# Altium PCB UCL-CPUM-H7-1.PcbDoc (part 1 of 3) (continued)
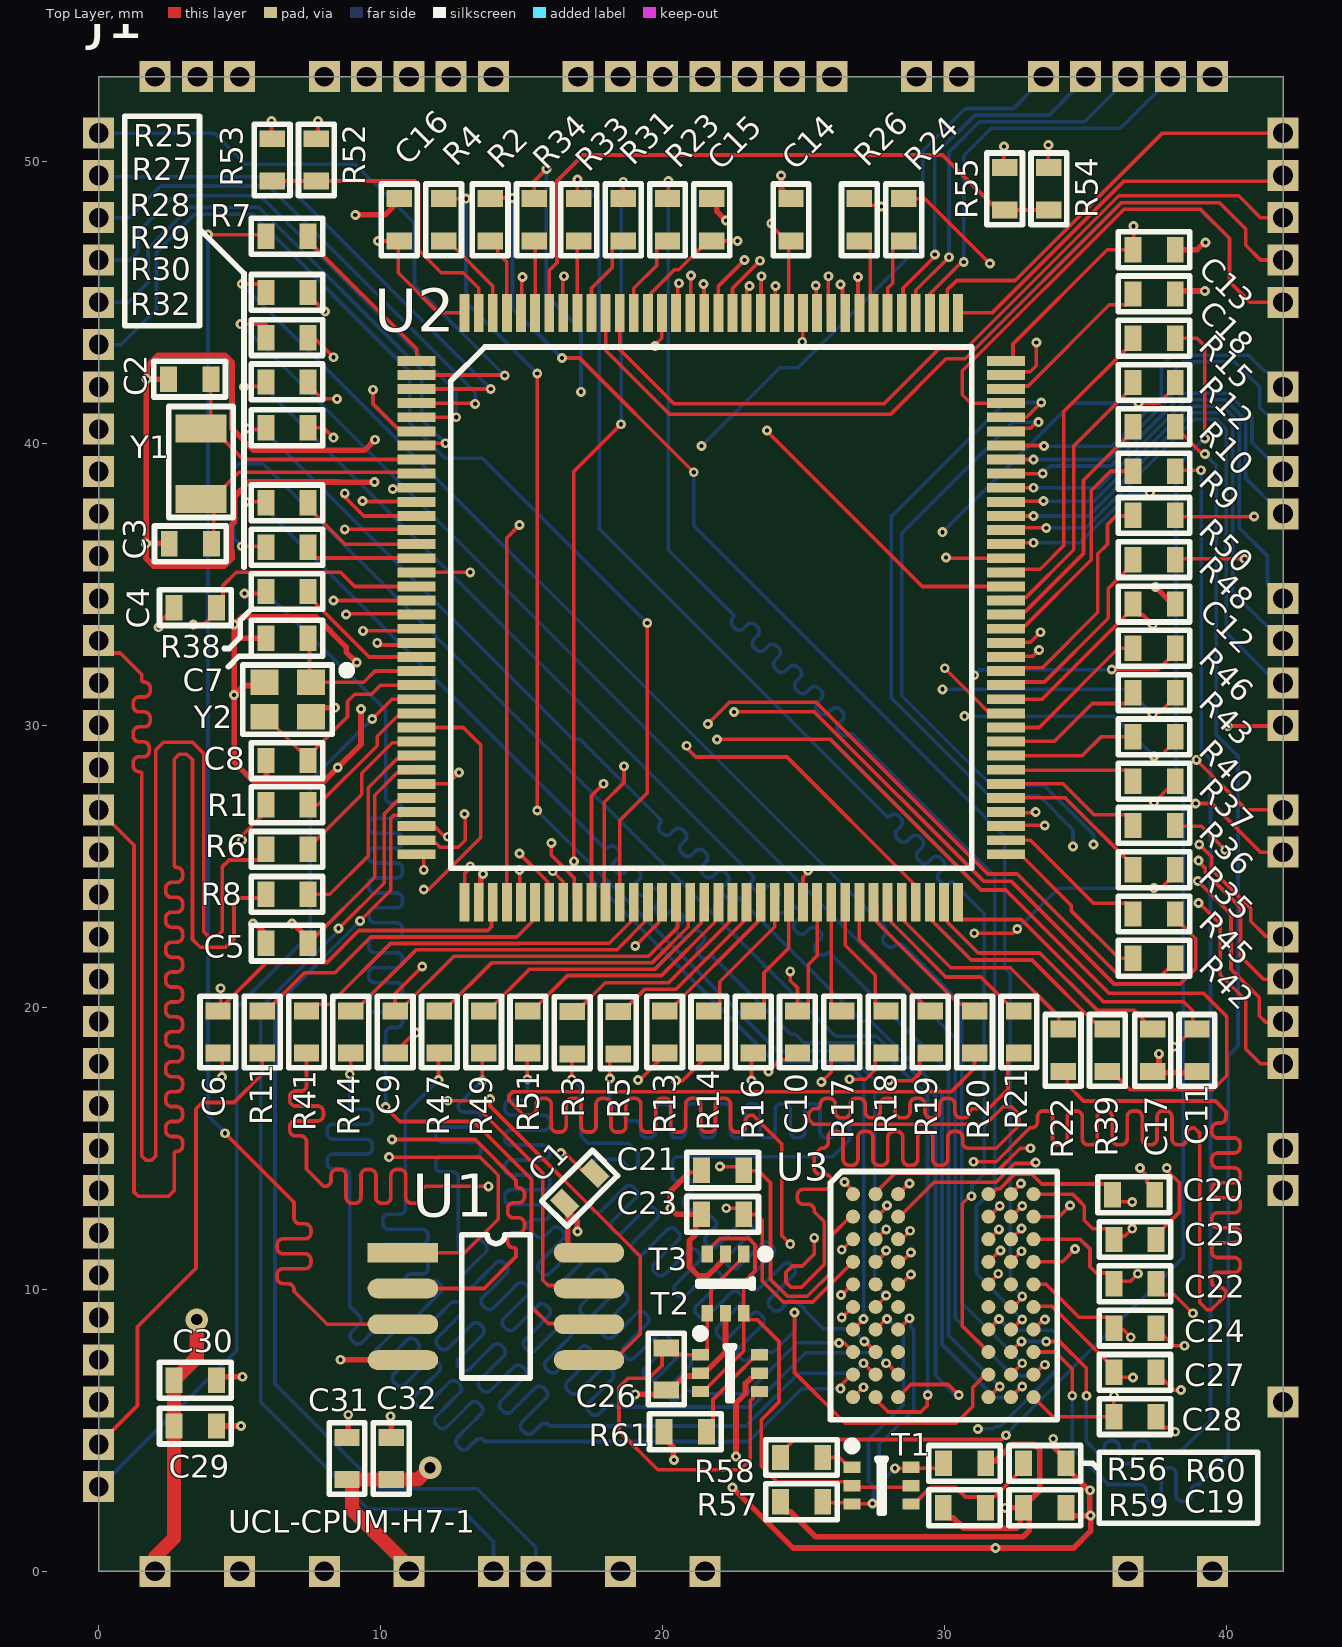
[diagram p0: Top Layer view]
## Nets (pads, with @x,y where several pads share a name; then routed paths per layer and width w, separated by ;. In a path a pad name is that pad's centre, name@x,y a point inside that pad or via, vN(x,y) a via of type N, cw(c..) or ccw(c..) an arc to the next point about the centre after c; other vN are vias at no path point) (continued)
ETH_MII_TX_EN: J1.72 R39.1 | length 51.3
  Top Layer w0.13: v1(21.925,29.5) 25.95,29.5 31.287,24.162 32.163,24.162 35.825,20.5 39.175,20.5 40,19.675 40,17.575 39.5,17.075 36.57,17.075 35.92,17.725 R39.1@35.77,17.725 R39.1@35.65,17.725
  L4_Sig w0.13: J1.72@0.315,28.5 1.45,28.5 2.65,29.7 4.1,29.7 21.725,29.7 v1(21.925,29.5)
ETH_MII_TX_ER/I\N\T\: J1.56 R11.1 | length 16.8
  Top Layer w0.13: J1.56@0.315,4.5 0.315,4.815 1.375,5.875 1.375,8.675 3.45,10.75 3.45,16.4 3.675,16.625 4.8,16.625 5.799,17.624 R11.1@5.799,18.375
ETH_MII_TXD0: J1.73 R42.1 | length 48.9
  Top Layer w0.13: v1(21.6,30.05) 22.365,30.815 25.435,30.815 31.525,24.725 32.575,24.725 36.177,21.123 37.673,21.123 37.903,21.353 37.94,21.353 38.175,21.588 38.175,21.625 R42.1@38.175,21.738
  L4_Sig w0.13: J1.73@0.315,30 0.365,30.05 4.35,30.05 5.525,31.225 10.275,31.225 10.85,30.65 10.927,30.65 ccw(c10.927,30.838) 11.115,30.838 cw(c11.327,30.838) 11.327,31.05 11.433,31.05 cw(c11.433,30.838) 11.645,30.838 11.645,30.65 11.645,30.462 ccw(c11.857,30.462) 11.857,30.25 11.963,30.25 ccw(c11.963,30.462) 12.175,30.462 12.175,30.65 12.175,30.838 cw(c12.387,30.838) 12.387,31.05 12.493,31.05 cw(c12.493,30.838) 12.705,30.838 12.705,30.65 12.705,30.462 ccw(c12.917,30.462) 12.917,30.25 13.023,30.25 ccw(c13.023,30.462) 13.235,30.462 13.235,30.65 13.235,30.838 cw(c13.447,30.838) 13.447,31.05 13.553,31.05 cw(c13.553,30.838) 13.765,30.838 13.765,30.65 13.765,30.462 ccw(c13.977,30.462) 13.977,30.25 14.083,30.25 ccw(c14.083,30.462) 14.295,30.462 14.295,30.65 14.295,30.838 cw(c14.507,30.838) 14.507,31.05 14.613,31.05 cw(c14.613,30.838) 14.825,30.838 14.825,30.65 14.825,30.462 ccw(c15.037,30.462) 15.037,30.25 15.143,30.25 ccw(c15.143,30.462) 15.355,30.462 15.355,30.65 15.355,30.838 cw(c15.567,30.838) 15.567,31.05 15.673,31.05 cw(c15.673,30.838) 15.885,30.838 ccw(c16.073,30.838) 16.073,30.65 16.4,30.65 17.579,30.65 18.179,30.05 v1(21.6,30.05)
ETH_MII_TXD1: J1.74 R45.1 | length 49.8
  Top Layer w0.13: v1(22.525,30.475) 25.375,30.475 31.375,24.475 32.35,24.475 36,20.825 38.35,20.825 38.9,21.375 38.9,22.433 38.325,23.008 38.325,23.225 38.242,23.308 R45.1@38.175,23.308
  L4_Sig w0.13: J1.74@0,31.5 5.225,31.5 5.6,31.875 11.775,31.875 11.802,31.875 cw(c11.802,31.787) 11.89,31.787 ccw(c12.102,31.787) 12.102,31.575 12.208,31.575 ccw(c12.208,31.787) 12.42,31.787 12.42,31.875 12.42,31.963 cw(c12.632,31.963) 12.632,32.175 12.738,32.175 cw(c12.738,31.963) 12.95,31.963 12.95,31.875 12.95,31.787 ccw(c13.162,31.787) 13.162,31.575 13.268,31.575 ccw(c13.268,31.787) 13.48,31.787 13.48,31.875 13.48,31.963 cw(c13.692,31.963) 13.692,32.175 13.798,32.175 cw(c13.798,31.963) 14.01,31.963 14.01,31.875 14.01,31.787 ccw(c14.222,31.787) 14.222,31.575 14.328,31.575 ccw(c14.328,31.787) 14.54,31.787 14.54,31.875 14.54,31.963 cw(c14.752,31.963) 14.752,32.175 14.858,32.175 cw(c14.858,31.963) 15.07,31.963 15.07,31.875 15.07,31.787 ccw(c15.282,31.787) 15.282,31.575 15.388,31.575 ccw(c15.388,31.787) 15.6,31.787 15.6,31.875 15.6,31.963 cw(c15.812,31.963) 15.812,32.175 15.918,32.175 cw(c15.918,31.963) 16.13,31.963 16.13,31.875 16.13,31.787 ccw(c16.342,31.787) 16.342,31.575 16.448,31.575 ccw(c16.448,31.787) 16.66,31.787 cw(c16.748,31.787) 16.748,31.875 16.925,31.875 18.325,30.475 v1(22.525,30.475)
ETH_MII_TXD2: J1.75 R6.2 | length 49.7
  Top Layer w0.13: J1.75@0.315,33 0.315,32.685 0.435,32.565 0.76,32.565 1.525,31.8 1.525,31.623 ccw(c1.613,31.623) 1.613,31.535 cw(c1.613,31.323) 1.825,31.323 1.825,31.217 cw(c1.613,31.217) 1.613,31.005 1.525,31.005 1.437,31.005 ccw(c1.437,30.793) 1.225,30.793 1.225,30.687 ccw(c1.437,30.687) 1.437,30.475 1.525,30.475 1.613,30.475 cw(c1.613,30.263) 1.825,30.263 1.825,30.157 cw(c1.613,30.157) 1.613,29.945 1.525,29.945 1.437,29.945 ccw(c1.437,29.733) 1.225,29.733 1.225,29.627 ccw(c1.437,29.627) 1.437,29.415 1.525,29.415 1.583,29.415 cw(c1.583,29.203) 1.795,29.203 1.795,29.097 cw(c1.583,29.097) 1.583,28.885 1.525,28.885 1.437,28.885 ccw(c1.437,28.673) 1.225,28.673 1.225,28.567 ccw(c1.437,28.567) 1.437,28.355 cw(c1.437,28.267) 1.525,28.267 1.525,27.975 1.525,14.725 1.675,14.575 1.875,14.575 2.025,14.725 2.025,29.125 2.3,29.4 3.325,29.4 3.725,29 3.725,22.675 3.875,22.525 4.2,22.525 4.375,22.7 4.375,24.975 4.625,25.225 5.79,25.225 6.025,25.46 R6.2@6.025,25.6
ETH_MII_TXD3: J1.76 R34.1 | length 48
  Top Layer w0.13: R34.1@15.45,48.675 15.45,49.3 v1(15.875,49.725)
  L4_Sig w0.13: J1.76@0.315,34.5 0.315,34.185 1.925,32.575 9.325,32.575 9.524,32.375 11.325,32.375 11.6,32.65 11.6,36.325 12.125,36.85 12.266,36.991 ccw(c12.116,37.14) 12.266,37.29 12.07,37.485 cw(c12.22,37.635) 12.07,37.785 12.145,37.86 cw(c12.295,37.71) 12.445,37.86 12.79,37.515 13.135,37.17 ccw(c13.285,37.32) 13.435,37.17 13.51,37.245 ccw(c13.36,37.395) 13.51,37.545 13.165,37.89 12.82,38.235 cw(c12.97,38.385) 12.82,38.535 12.895,38.61 cw(c13.045,38.46) 13.195,38.61 13.54,38.265 13.885,37.92 ccw(c14.035,38.07) 14.185,37.92 14.26,37.995 ccw(c14.11,38.145) 14.26,38.294 13.914,38.639 13.569,38.985 cw(c13.719,39.134) 13.569,39.284 13.644,39.359 cw(c13.794,39.209) 13.944,39.359 14.289,39.014 14.634,38.669 ccw(c14.784,38.819) 14.934,38.669 15.009,38.744 ccw(c14.859,38.894) 15.009,39.044 14.664,39.389 14.319,39.734 cw(c14.469,39.884) 14.319,40.034 14.394,40.109 cw(c14.544,39.959) 14.694,40.109 15.039,39.764 15.384,39.419 ccw(c15.534,39.569) 15.684,39.419 15.759,39.494 ccw(c15.609,39.644) 15.759,39.793 15.414,40.139 15.068,40.484 cw(c15.218,40.634) 15.068,40.783 15.143,40.858 cw(c15.293,40.708) 15.443,40.858 15.788,40.513 16.133,40.168 ccw(c16.283,40.318) 16.433,40.168 16.508,40.243 ccw(c16.358,40.393) 16.508,40.543 16.163,40.888 15.818,41.233 cw(c15.968,41.383) 15.818,41.533 15.893,41.608 cw(c16.043,41.458) 16.193,41.608 16.538,41.263 16.883,40.918 ccw(c17.033,41.068) 17.183,40.918 17.258,40.993 ccw(c17.108,41.143) 17.258,41.293 17.063,41.488 cw(c17.212,41.638) 17.063,41.788 v1(17.1,41.825)
  Bottom Layer w0.13: v1(15.875,49.725) 15.875,45.25 17.1,44.025 v1(17.1,41.825)
ETH_R\E\S\E\T\: J1.61 U2.41 | length 30.4
  Top Layer w0.13: v1(14.925,24.875) 14.925,23.775 U2.41@14.975,23.725
  L4_Sig w0.13: J1.61@0.315,12 0.315,12.315 3.025,15.025 3.025,26.775 3.825,27.575 6.875,27.575 7.95,26.5 13.3,26.5 v1(14.925,24.875)
"FMC_ SDCLK": R15.2 R58.2 | length 51.3
  Top Layer w0.13: R58.2@24.175,4.035 24.175,4.185 24.665,4.675 32.025,4.675 v1(32.175,4.825) ; R15.2@38.175,43.726 38.176,43.725 38.95,43.725 39.225,43.45 v1(39.225,40.175)
  Bottom Layer w0.13: v1@32.162,4.838 38.465,11.14 38.465,27.613 38.2,27.878 38.2,39.15 v1(39.225,40.175)
GND: C1.2 C2.1 C3.1 C4.1 C5.1 C6.1 C7.1 C8.1 C9.1 C10.1 C11.1 C12.1 C13.1 C14.1 C15.1 C16.1 C17.1 C18.1 C19.1 C20.1 C21.1 C22.1 C23.1 C24.1 C25.1 C26.1 C27.1 C28.1 C29.1 C30.1 C31.1 C32.1 J1.3 J1.17 J1.22 J1.42 J1.43 J1.44 J1.45 J1.46 J1.47 J1.48 J1.52 J1.53 J1.62 J1.70 J1.77 R53.1 R55.1 R60.2 T2.2 T2.5 T3.2 T3.5 U1.4 U2.16 U2.31 U2.38 U2.51 U2.61 U2.83 U2.94 U2.107 U2.120 U2.130 U3.A1 U3.A3 U3.B9 U3.C1 U3.D9 U3.E1 U3.F1 U3.K1 Y2.2 Y2.4 | length 142
  Top Layer w0.13: v1(2.125,33.475) 2.125,33.625 C4.1@2.675,34.175 ; C6.1@4.228,18.375 4.375,18.228 v1(4.375,17.525) ; v1(6.125,51.425) 6.125,50.875 6.1,50.85 R53.1@6.15,50.8 ; v1(8.575,7.5) v1@8.58,7.495 ; C9.1@10.509,18.375 10.509,18.409 11.2,19.1 v1(11.25,19.1) ; U1.4@10.78,7.495 U1.4@10.785,7.49 ; U2.31@11.275,27.925 12.375,27.925 v1(12.775,28.325) ; U2.16@11.275,35.425 v1(13.175,35.425) ; v1(16.387,14.831) 16.429,14.789 16.577,14.789 17.253,14.113 C1.2@17.586,14.113 ; v1(19.025,22.175) 19.865,23.015 19.865,23.325 19.975,23.435 U2.51@19.975,23.725 ; v1(19.725,43.45) 19.725,43.482 19.97,43.728 19.97,44.62 U2.130@19.975,44.625 ; 20.95,14.15 21.3,14.15 C21.1@21.375,14.225 21.4,14.225 C21.1@21.425,14.2 ; v1(23.75,17.725) 24.165,18.14 24.543,18.14 C10.1@24.778,18.375 ; v1(24.95,43.6) 24.963,43.613 24.963,44.438 24.975,44.45 U2.120@24.975,44.625 ; U2.61@24.975,23.725 24.975,24.615 25.15,24.79 v1(25.15,24.85) ; v1(26.326,9.801) 26.351,9.801 26.725,10.175 U3.E1@26.75,10.175 ; v1(26.35,9) 26.362,9 26.737,9.375 U3.F1@26.75,9.375 ; v1(26.351,11.401) 26.364,11.401 26.738,11.775 U3.C1@26.75,11.775 ; v1(26.45,13.8) 26.75,13.5 U3.A1@26.75,13.375 ; U3.K1@26.75,6.175 26.762,6.175 27.112,6.525 v1(27.125,6.525) ; U3.A3@28.35,13.375 28.362,13.375 28.737,13.75 v1(28.75,13.75) ; v1(30,32.025) 31.335,30.69 31.335,30.682 31.592,30.425 U2.83@32.175,30.425 ; v1(30.05,35.95) 30.075,35.925 U2.94@32.175,35.925 ; v1(32.1,50.525) 32.1,49.8 R55.1@32.125,49.775 ; U2.107@32.175,42.425 32.285,42.535 33.035,42.535 33.25,42.75 v1(33.25,43.575) ; U3.D9@33.15,10.975 34.175,10.975 v1(34.625,11.425) ; U3.B9@33.15,12.575 34.05,12.575 v1(34.45,12.975) ; R60.2@34.183,4.058 34.3,3.94 R60.2@34.3,3.825 ; v1(36.925,14.3) 36.925,14.277 37.175,14.027 37.175,13.775 37.45,13.5 C20.1@37.45,13.35 ; C17.1@37.4,17.725 37.575,17.725 C17.1@37.625,17.675 ; C28.1@37.5,5.484 37.5,5.334 37.735,5.099 37.966,5.099 38.115,4.95 v1(38.175,4.95) ; C27.1@37.5,7.054 37.5,7.05 38.125,6.425 v1(38.375,6.425) ; C24.1@37.5,8.624 38.124,8 v1(38.5,8) ; C22.1@37.5,10.195 37.505,10.195 37.575,10.125 37.575,9.97 37.735,9.81 38.14,9.81 v1(38.8,9.15) ; C25.1@37.5,11.765 37.5,11.915 38.325,12.74 38.325,13.775 37.875,14.225 v1(37.875,14.3)
  Top Layer w0.2: C2.1@2.475,42.275 v1(1.7,42.275) ; C3.1@2.5,36.435 2.485,36.45 v1(1.675,36.45) ; C29.1@4.175,5.15 v1(5.05,5.15) ; C30.1@4.175,6.775 4.3,6.9 v1(5.1,6.9) ; v1(5.475,22.975) 5.504,22.946 5.579,22.946 6.025,22.5 6.025,22.425 6.1,22.35 C5.1@6.1,22.275 ; Y2.2@5.875,31.525 5.761,31.411 5.136,31.411 v1(4.8,31.075) ; C8.1@5.925,28.75 5.875,28.75 5.95,28.675 5.95,28.025 ; C7.1@5.925,33.086 4.8,33.086 ; Y2.4@7.525,30.3 7.85,30.625 v1(8.375,30.625) ; v1@8.58,7.495 U1.4@10.78,7.495 ; C31.1@8.805,4.75 8.85,4.795 v1(8.85,5.55) ; v1(9.1,48.1) 10.15,48.1 10.725,48.675 C16.1@10.659,48.675 ; v1(9.15,32.227) 8.775,32.602 8.775,32.775 7.7,33.85 5.075,33.85 v1(4.8,33.575) 4.8,33.086 ; v1(9.3,30.575) 9.3,29.325 v1(8.475,28.5) 8,28.025 5.95,28.025 ; v1(9.775,38.625) 8.475,38.625 8.472,38.628 5.328,38.628 4.825,38.125 4.825,37.222 4.7,37.097 4.7,36.195 4.725,36.17 4.725,35.925 4.45,35.65 1.95,35.65 1.675,35.925 v1(1.675,36.45) ; v1(9.8,40.125) 9.425,39.75 5.495,39.75 4.725,40.52 4.725,42.875 4.475,43.125 2.1,43.125 1.725,42.75 1.725,42.3 v1(1.7,42.275) ; v1(10.35,5.5) 10.375,5.475 C32.1@10.375,4.75 ; U2.38@13.475,23.725 13.55,23.8 13.55,24.609 13.625,24.684 v1(13.625,24.725) ; v1(19.025,6.275) 19.975,6.275 C26.1@20.125,6.425 20.275,6.425 20.775,6.925 21.235,6.925 T2.2@21.335,7.025 21.435,7.125 21.568,7.125 22.225,7.782 T3.5@22.225,9.15 ; 20.95,14.15 20.275,13.475 v1(20.275,12.875) 20.495,12.655 C23.1@21.375,12.655 21.175,12.455 21.175,11.95 20.95,11.725 20.95,10.8 21.275,10.475 21.583,10.475 22.225,11.117 T3.2@22.225,11.25 ; C15.1@21.741,48.675 21.75,48.675 21.914,48.511 21.914,48.236 v1(22.25,47.9) ; v1(22.475,2.975) 24.625,0.825 v1(31.8,0.825) 34.575,0.825 35.175,1.425 v1(35.175,1.975) ; v1(22.6,4.075) 22.6,5.965 22.935,6.3 22.935,6.658 23.102,6.825 23.135,6.825 23.335,7.025 T2.5@23.435,7.025 ; v1(24.2,49.5) 24.2,49.025 C14.1@24.55,48.675 ; v1(33.85,4.7) 33.879,4.671 33.879,4.396 34.183,4.093 R60.2@34.183,4.058 ; C19.1@34.3,2.255 34.3,2.175 34.5,1.975 v1(35.175,1.975) ; R60.2@34.3,3.825 34.3,3.675 35.071,2.904 35.121,2.904 v1(35.15,2.875) 35.146,2.871 35.146,2.004 v1(35.175,1.975) ; C17.1@37.375,17.725 37.4,17.725 37.6,17.925 v1(37.6,18.35) ; v1(37.475,34.9) 38.075,34.3 C12.1@38.175,34.3 ; C17.1@37.625,17.675 38.895,17.675 C11.1@38.945,17.725 ; C18.1@38.175,45.297 38.272,45.297 38.375,45.4 v1(39.225,45.4) ; C13.1@38.175,46.867 38.951,46.867 39.209,47.125 v1(39.25,47.125) ; v1(1.675,36.45) 1.687,36.463 1.687,42.263 v1(1.7,42.275) ; v1(4.8,31.075) 4.8,28.7 5.475,28.025 5.95,28.025 ; v1(4.8,31.075) 4.8,33.086
  Bottom Layer w0.13: v1(16.387,14.831) 16.4,14.844 v1@16.4,14.95 ; v1@26.275,11.4 v1@26.35,11.4 ; v1@26.325,9.825 26.326,9.824 v1(26.326,9.801)
  Bottom Layer w0.2: v1@9.15,32.2 v1(9.15,32.227)
GPIO0: J1.29 U2.101 | length 13
  Top Layer w0.13: U2.101@32.175,39.425 v1(33.15,39.425)
  Bottom Layer w0.13: v1(33.15,39.425) 35.8,39.425 38.05,41.675 38.05,42.495 38.45,42.895 40.275,42.895 41.175,41.995 41.175,41.263 41.685,40.753 J1.29@41.685,40.5
GPIO1: J1.28 U2.102 | length 12.1
  Top Layer w0.13: U2.102@32.175,39.925 33.5,39.925 v1(33.525,39.9)
  Bottom Layer w0.13: v1(33.525,39.9) 35.925,39.9 37.675,41.65 37.675,42.725 38.075,43.125 40.775,43.125 41.335,42.565 41.385,42.565 41.55,42.4 41.55,42.388 41.685,42.253 J1.28@41.685,42
GPIO2: J1.82 U2.48 | length 40
  Top Layer w0.13: U2.48@18.45,23.7 U2.48@18.475,23.725 18.475,26.625 19.45,27.6 v1(19.45,33.625)
  Bottom Layer w0.13: J1.82@0,43.5 0.8,43.5 2.05,44.75 2.05,46.775 3.4,48.125 5.45,48.125 11.025,42.55 11.025,40.725 12.275,39.475 13.6,39.475 v1(19.45,33.625)
GPIO3: J1.2 U2.137 | length 18.3
  Top Layer w0.13: U2.137@16.475,44.625 16.45,44.625 16.45,45.875 v1(16.5,45.925)
  L4_Sig w0.13: J1.2@3.5,52.685 3.475,52.66 3.475,50.85 7.85,46.475 15.95,46.475 v1(16.5,45.925)
GPIO4: J1.1 U2.140 | length 18.1
  Top Layer w0.13: U2.140@14.975,44.625 15,44.65 15,45.875 v1(15.025,45.9)
  L4_Sig w0.13: J1.1@2,52.685 1.975,52.66 1.975,51.225 7.3,45.9 15,45.9 15.025,45.925 v1(15.025,45.9)
GPIO5: J1.34 U2.96 | length 19.4
  Top Layer w0.13: U2.96@32.175,36.925 32.2,36.925 32.275,37 v1(33.6,37)
  Bottom Layer w0.13: v1(33.6,37) 33.6,36.975 33.65,36.925 33.65,36.948 33.702,37 35.001,37 38.851,40.85 39.65,40.85 39.98,40.52 39.98,33.295 41.685,31.59 J1.34@41.685,31.5
GPIO6: J1.33 U2.97 | length 18
  Top Layer w0.13: U2.97@32.175,37.425 v1(33.15,37.425)
  Bottom Layer w0.13: v1(33.15,37.425) 35.101,37.425 38.756,41.08 39.77,41.08 40.21,40.64 40.21,34.728 41.685,33.253 J1.33@41.685,32.95
GPIO7: J1.32 U2.98 | length 16.7
  Top Layer w0.13: U2.98@32.175,37.925 32.275,37.925 32.3,37.95 v1(33.5,37.95)
  Bottom Layer w0.13: v1(33.5,37.95) 35.301,37.95 38.661,41.31 39.865,41.31 40.44,40.735 40.44,37.01 41.45,36 41.45,34.988 41.685,34.753 J1.32@41.685,34.5
GPIO8: J1.83 U2.7 | length 19.7
  Top Layer w0.13: U2.7@11.275,39.925 11.275,39.875 11.3,39.85 11.45,40 v1(12.3,40)
  Bottom Layer w0.13: J1.83@0.315,45 1.05,45 1.75,45.7 1.75,46.9 3.225,48.375 5.675,48.375 11.45,42.6 11.45,40.85 v1(12.3,40)
GPIO9: J1.16 U2.116 | length 9.2
  Top Layer w0.13: v1(26.925,45.9) 26.925,44.6 26.95,44.625 U2.116@26.975,44.625
  L4_Sig w0.13: v1(26.925,45.9) 26.925,51.025 28.585,52.685 J1.16@29,52.685
GPIO10: J1.87 U2.2 | length 22.1
  Top Layer w0.13: U2.2@11.275,42.425 14.375,42.425 v1(14.4,42.4)
  Bottom Layer w0.13: J1.87@0.315,51 4.1,51 5.2,49.9 9.1,49.9 11.2,47.8 11.2,45.6 v1(14.4,42.4)
GPIO11: J1.86 U2.3 | length 19.3
  Top Layer w0.13: U2.3@11.275,41.925 v1(13.9,41.925)
  Bottom Layer w0.13: J1.86@0.315,49.5 0.365,49.45 6.375,49.45 v1(13.9,41.925)
GPIO12: J1.85 U2.4 | length 19
  Top Layer w0.13: U2.4@11.275,41.425 13.325,41.425 v1(13.35,41.4)
  Bottom Layer w0.13: J1.85@0.315,48 1.075,48 2.2,49.125 6.025,49.125 13.35,41.8 v1(13.35,41.4)
GPIO13: J1.84 U2.5 | length 18.9
  Top Layer w0.13: U2.5@11.275,40.925 11.25,40.925 v1(12.675,40.925)
  Bottom Layer w0.13: J1.84@0.315,46.5 1.1,46.5 1.375,46.775 1.375,47.475 2.675,48.775 5.725,48.775 12.675,41.825 v1(12.675,40.925)
GPIO14: J1.37 U2.87 | length 13.7
  Top Layer w0.13: U2.87@32.175,32.425 32.15,32.425 32.125,32.45 33.125,32.45 v1(33.35,32.675) ; v1(38.9,27.225) 39.475,27.225 41.2,25.5 J1.37@41.685,25.5
  L4_Sig w0.13: v1(33.35,32.675) 35.25,30.775 36.075,30.775 37.225,29.625 38.175,29.625 38.5,29.3 38.5,27.625 v1(38.9,27.225)
GPIO15: J1.36 U2.88 | length 12.9
  Top Layer w0.13: U2.88@32.175,32.925 32.175,32.9 32.22,32.945 33.045,32.945 v1(33.4,33.3) ; v1(38.925,28.775) 40.7,27 J1.36@41.685,27
  L4_Sig w0.13: v1(33.4,33.3) 35.5,31.2 37.525,31.2 38.925,29.8 v1(38.925,28.775)
GPIO16: J1.10 U2.125 | length 11
  Top Layer w0.13: U2.125@22.475,44.625 22.475,45.5 v1(23.45,46.475)
  L4_Sig w0.13: J1.10@18.5,53 18.5,52.685 18.64,52.685 23.45,47.875 v1(23.45,46.475) 23.45,46.45 v1@23.4,46.4
GPIO17: J1.9 U2.126 | length 11.7
  Top Layer w0.13: U2.126@21.975,44.625 21.975,45.575 v1(22.9,46.5)
  L4_Sig w0.13: J1.9@17,52.685 17.315,52.685 19.875,50.125 20.65,50.125 23.15,47.625 23.15,46.773 22.9,46.523 v1(22.9,46.5)
I2C3_SCL: J1.30 U2.100 | length 12.7
  Top Layer w0.13: U2.100@32.175,38.925 32.35,38.925 v1(33.475,38.925)
  Bottom Layer w0.13: v1(33.475,38.925) 33.745,39.195 35.895,39.195 38.47,41.77 40.056,41.77 40.9,40.926 40.9,40.038 J1.30@41.654,39.284 ; J1.30@41.685,39.315 J1.30@42,39
I2C3_SDA: J1.31 U2.99 | length 13.8
  Top Layer w0.13: U2.99@32.175,38.425 v1(33.15,38.425)
  Bottom Layer w0.13: v1(33.15,38.425) 35.451,38.425 38.566,41.54 39.961,41.54 40.67,40.831 40.67,38.768 41.685,37.753 J1.31@41.685,37.5
JTCK-SWCLK: J1.24 U2.109 | length 13.3
  Top Layer w0.13: U2.109@30.475,44.625 31.675,44.625 36.337,49.287 41.565,49.287 41.685,49.408 J1.24@41.685,49.5
JTDI: J1.23 U2.110 | length 15.1
  Top Layer w0.13: U2.110@29.975,44.625 30.085,44.735 30.085,45.435 30.425,45.775 32.5,45.775 37.725,51 J1.23@42,51
JTDO/TRACESWO: J1.25 U2.133 | length 29
  Top Layer w0.13: U2.133@18.475,44.625 18.475,43.325 20.4,41.4 27.85,41.4 29.8,43.35 30.75,43.35 36.175,48.775 40.425,48.775 41.2,48 J1.25@42,48
JTMS-SWDIO: J1.27 U2.105 | length 18.3
  Top Layer w0.13: U2.105@32.175,41.5 U2.105@32.175,41.425 30.925,41.425 30.625,41.725 30.625,42.574 36.346,48.295 39.075,48.295 40.1,47.27 40.1,45.725 40.825,45 J1.27@41.685,45
MCU_R\S\T\: J1.55 U2.25 | length 33.1
  Top Layer w0.13: v1(9.7,30.225) 10.4,30.925 10.665,30.925 10.665,30.815 10.775,30.925 U2.25@11.275,30.925
  Bottom Layer w0.13: J1.55@0.315,3 0.315,3.253 4.9,7.838 4.9,20 7.5,22.6 7.5,28.031 9.694,30.225 v1(9.7,30.225)
NetC2_2: C2.2 U2.8 Y1.2 | length 9.5
  Top Layer w0.13: C2.2@3.975,42.275 3.975,40.575 5.125,39.425 U2.8@11.275,39.425
NetC3_2: C3.2 U2.9 Y1.1 | length 9.4
  Top Layer w0.13: C3.2@4,36.435 4.015,36.435 4.075,36.375 4.075,37.975 4.025,38.025 4.975,38.975 11.225,38.975 U2.9@11.275,38.925
NetC7_2: C7.2 U2.23 Y2.1 | length 5.5
  Top Layer w0.13: C7.2@7.425,33.086 7.475,33.036 7.475,31.575 Y2.1@7.525,31.525 9.4,31.525 9.8,31.925 U2.23@11.275,31.925
NetC8_2: C8.2 U2.24 Y2.3 | length 7.5
  Top Layer w0.13: Y2.3@5.875,30.3 5.9,30.3 6,30.2 6.025,30.2 7.09,29.135 7.19,29.135 C8.2@7.425,28.9 ; C8.2@7.425,28.75 C8.2@7.425,28.9 ; U2.24@11.275,31.425 10,31.425 9.675,31.1 9.075,31.1 8.825,30.85 8.825,30.3 C8.2@7.425,28.9
NetC17_2: C17.2 U2.71 | length 9.6
  Top Layer w0.13: U2.71@29.975,23.725 30.085,23.615 30.085,23.032 31.192,21.925 33.375,21.925 35.4,19.9 36.7,19.9 C17.2@37.375,19.225
NetC18_2: C18.2 U2.106 | length 6
  Top Layer w0.13: U2.106@32.175,41.925 32.285,42.035 32.96,42.035 35.837,44.912 36.44,44.912 36.675,45.147 C18.2@36.675,45.297
NetC26_2: C26.2 T2.1 T2.4 T3.1 T3.4 | length 17.7
  Top Layer w0.13: T3.1@22.875,11.25 22.875,11.15 21.71,9.985 21.71,9.285 T3.4@21.575,9.15 21.575,7.915 21.57,7.91 21.57,7.81 21.435,7.675 T2.1@21.335,7.675 20.84,7.675 20.825,7.69 20.36,7.69 C26.2@20.125,7.925 19.975,7.775 19.975,7.3 19.525,6.85 18.775,6.85 18.45,6.525 18.45,4.975 19.825,3.6 22.75,3.6 23.1,3.95 23.1,6.04 23.2,6.14 23.2,6.24 23.335,6.375 T2.4@23.435,6.375
NetR1_1: R1.1 U2.26 | length 5.3
  Top Layer w0.13: R1.1@7.525,27.18 7.78,27.18 9.875,29.275 9.875,29.608 10.692,30.425 U2.26@11.275,30.425
NetR2_2: R2.2 U2.141 | length 2.8
  Top Layer w0.13: R2.2@13.88,47.175 13.915,47.175 14.15,46.94 14.15,46.75 14.475,46.425 U2.141@14.475,44.625
NetR3_1: R3.1 U2.56 | length 7.6
  Top Layer w0.13: R3.1@16.791,19.85 16.941,19.85 17.966,20.875 20.208,20.875 22.365,23.032 22.365,23.615 U2.56@22.475,23.725
NetR4_2: R4.2 U2.142 | length 3.5
  Top Layer w0.13: R4.2@12.23,47.175 12.23,47.13 12.175,47.075 12.23,47.075 12.48,47.075 13.975,45.58 U2.142@13.975,44.625
NetR5_1: R5.1 U2.57 | length 6.5
  Top Layer w0.13: R5.1@18.425,19.85 18.575,19.85 19.37,20.645 20.478,20.645 22.865,23.032 22.865,23.615 U2.57@22.975,23.725
NetR6_1: R6.1 U2.28 | length 5.9
  Top Layer w0.13: R6.1@7.525,25.6 7.525,25.75 9.325,27.55 9.325,28.3 10.405,29.38 11.23,29.38 U2.28@11.275,29.425
NetR7_2: R7.2 U2.1 | length 6
  Top Layer w0.13: R7.2@7.425,47.345 7.425,47.195 11.275,43.345 U2.1@11.275,42.925
NetR8_1: R8.1 U2.29 | length 7.2
  Top Layer w0.13: R8.1@7.55,24.005 8.195,24.005 9.555,25.364 9.555,27.788 10.582,28.815 11.165,28.815 U2.29@11.275,28.925
NetR9_1: R9.1 U2.89 | length 8.3
  Top Layer w0.13: U2.89@32.175,33.425 32.363,33.425 32.473,33.535 32.868,33.535 35.2,35.867 35.2,38.325 35.891,39.016 R9.1@36.675,39.016
NetR10_1: R10.1 U2.90 | length 8.9
  Top Layer w0.13: U2.90@32.175,33.925 32.285,34.035 32.868,34.035 34.925,36.092 34.925,38.686 36.675,40.436 R10.1@36.675,40.586